# Altium PCB fastcar.PcbDoc (part 2 of 6)
Units mm, origin at the board's own origin, x right, y up, seen from the top; angles counter-clockwise.
Board outline 341.4 x 93 mm, 6 copper layers (Component Side, Signal 1, Signal 2, GND, POWER, Solder Side); 271 components, 375 nets, 1876 pads, 1375 vias.
Unrouted connection lines stored in the file: 4.
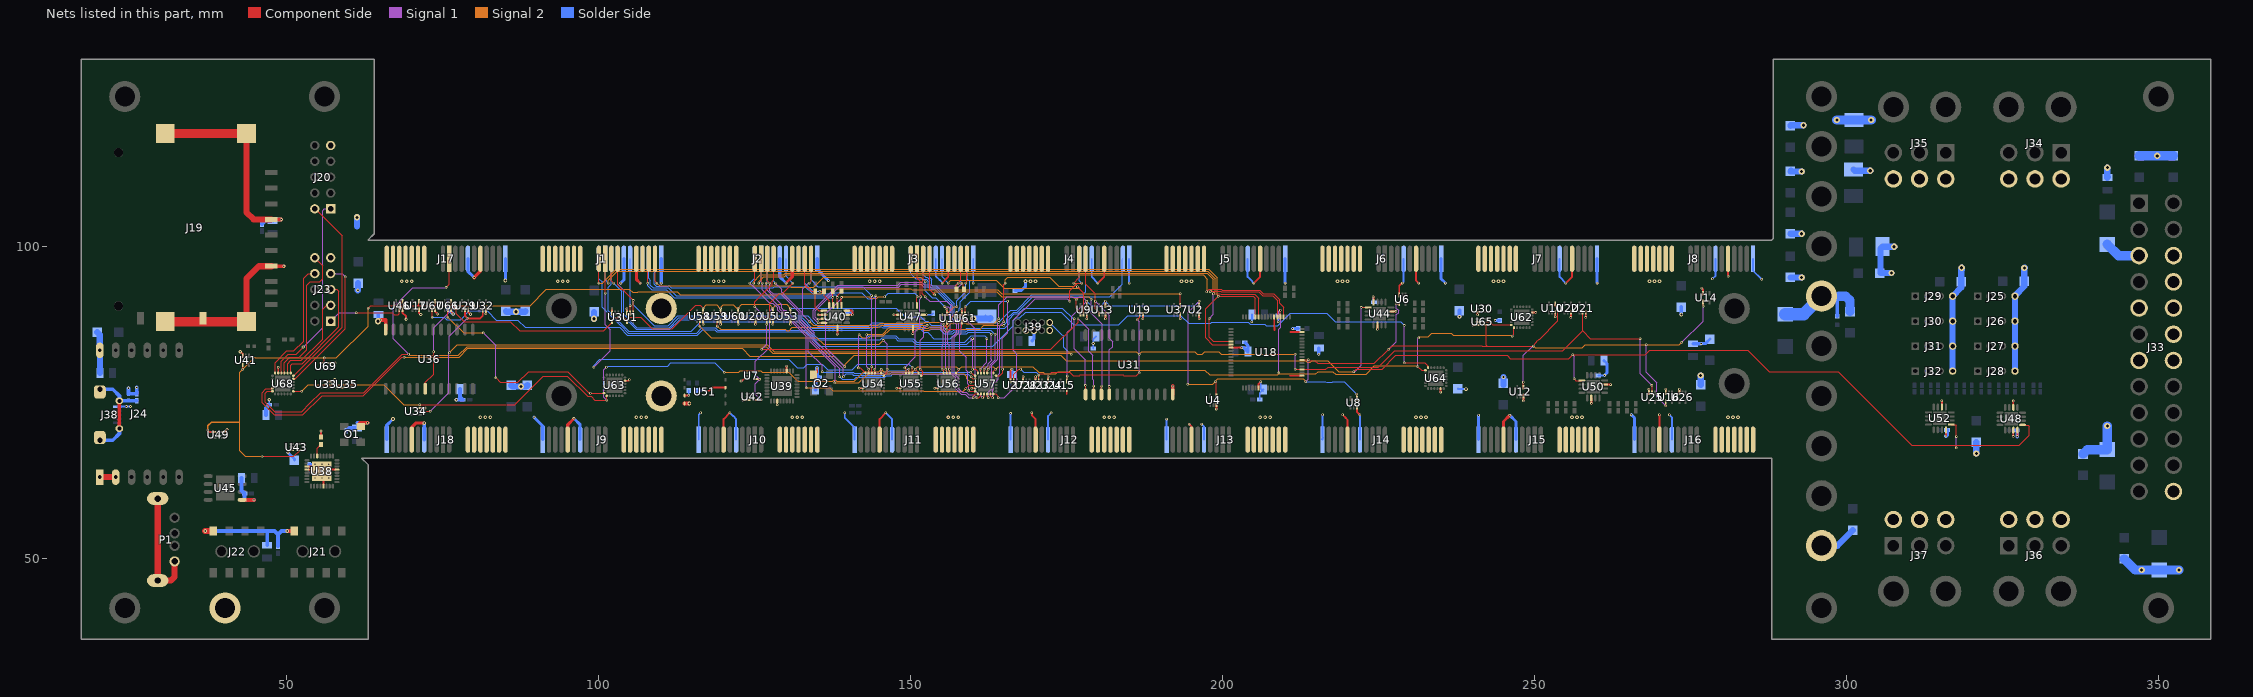
[diagram p6: the nets of this part, all layers, seen from the top]

## Via types
v1: diameter 0.4, hole 0.2, Component Side to Solder Side, 984 vias
v2: diameter 0.6, hole 0.3, Component Side to Solder Side, 212 vias
v3: diameter 0.5, hole 0.2, Component Side to Solder Side, 152 vias
v4: diameter 1, hole 0.5, Component Side to Solder Side, 27 vias

## Nets (pads, with @x,y where several pads share a name; then routed paths per layer and width w, separated by ;. In a path a pad name is that pad's centre, name@x,y a point inside that pad or via, vN(x,y) a via of type N, cw(c..) or ccw(c..) an arc to the next point about the centre after c; other vN are vias at no path point) (continued)
GND: C1.2 C2.2 C3.2 C4.2 C5.2 C6.2 C7.2 C8.2 C9.2 C10.2 C11.2 C12.2 C13.2 C14.2 C15.2 C16.2 C17.2 C18.2 C19.2 C20.2 C21.2 C22.2 C23.2 C24.2 C25.2 C26.2 C27.2 C28.2 C29.2 C30.2 C31.2 C32.2 C33.2 C34.2 C35.2 C36.2 C37.2 C38.2 C39.1 C40.2 C41.2 C42.1 C43.1 C44.1 C45.1 C46.1 C47.2 C48.2 C49.1 C50.2 C51.2 C52.1 C53.1 C54.1 C55.1 C56.1 C57.2 C58.2 C59.1 C60.2 C61.2 C62.1 C63.1 C64.1 C65.1 C66.1 C67.2 C68.2 C69.1 C70.2 C71.2 C72.1 C73.1 C74.1 C75.1 C76.1 C77.1 C78.2 C79.2 J1.A5 J1.A12 J1.A13 J1.A14 J1.A15 J1.A16 J1.A17 J1.A18 J1.B1 J1.B7 J2.A5 J2.A12 J2.A13 J2.A14 J2.A15 J2.A16 J2.A17 J2.A18 J2.B1 J2.B7 J3.A5 J3.A12 J3.A13 J3.A14 J3.A15 J3.A16 J3.A17 J3.A18 J3.B1 J3.B7 J4.A5 J4.A12 J4.A13 J4.A14 J4.A15 J4.A16 J4.A17 J4.A18 J4.B1 J4.B7 J5.A5 J5.A12 J5.A13 J5.A14 J5.A15 J5.A16 J5.A17 J5.A18 J5.B1 J5.B7 J6.A5 J6.A12 J6.A13 J6.A14 J6.A15 J6.A16 J6.A17 J6.A18 J6.B1 J6.B7 J7.A5 J7.A12 J7.A13 J7.A14 J7.A15 J7.A16 J7.A17 J7.A18 J7.B1 J7.B7 J8.A5 J8.A12 J8.A13 J8.A14 J8.A15 J8.A16 J8.A17 J8.A18 J8.B1 J8.B7 J9.A5 J9.A12 J9.A13 J9.A14 J9.A15 J9.A16 J9.A17 J9.A18 J9.B1 J9.B7 J10.A5 J10.A12 J10.A13 J10.A14 J10.A15 J10.A16 J10.A17 J10.A18 J10.B1 J10.B7 J11.A5 J11.A12 J11.A13 J11.A14 J11.A15 J11.A16 J11.A17 J11.A18 J11.B1 J11.B7 J12.A5 J12.A12 J12.A13 J12.A14 J12.A15 J12.A16 J12.A17 J12.A18 J12.B1 J12.B7 J13.A5 J13.A12 J13.A13 J13.A14 J13.A15 J13.A16 J13.A17 J13.A18 J13.B1 J13.B7 J14.A5 J14.A12 J14.A13 J14.A14 J14.A15 J14.A16 J14.A17 J14.A18 J14.B1 J14.B7 J15.A5 J15.A12 J15.A13 J15.A14 J15.A15 J15.A16 J15.A17 J15.A18 J15.B1 J15.B7 J16.A5 J16.A12 J16.A13 J16.A14 J16.A15 J16.A16 J16.A17 J16.A18 J16.B1 J16.B7 J17.A5 J17.A12 J17.A13 J17.A14 J17.A15 J17.A16 J17.A17 J17.A18 J17.B1 J17.B7 J18.A5 J18.A12 J18.A13 J18.A14 J18.A15 J18.A16 J18.A17 J18.A18 J18.B1 J18.B7 J19.3 J19.6 J19.11 J19.13 J19.14 J19.15 J19.16 J20.9 J21.2 J22.2 J23.9 J24.1 J24.2 J24.12 J25.4 J26.4 J27.4 J28.4 J29.4 J30.4 J31.4 J32.4 J33.3 J33.5 J33.7 J33.15 J33.16 J33.17 J33.18 J33.19 J33.24 J34.4 J34.5 J34.6 J35.4 J35.5 J35.6 J36.4 J36.5 J36.6 J37.4 J37.5 J37.6 J38.5 J39.3 J39.5 J39.9 O1.2 O2.2 P1.4 P1.5 P1.6 P13-GND.1 P14-GND.1 P15-GND.1 P16-GND.1 P17-GND.1 R4.1 R57.1 U1.3 U2.3 U3.3 U4.3 U5.3 U6.3 U7.3 U8.3 U9.3 U10.3 U11.3 U12.3 U13.3 U14.3 U15.3 U16.3 U17.3 U18.7 U18.22 U18.33 U18.47 U18.54 U19.3 U20.3 U21.3 U22.3 U23.3 U24.3 U25.3 U26.3 U27.3 U28.3 U29.3 U30.3 U31.12 U32.3 U33.3 U34.3 U35.3 U36.12 U37.3 U38.11 U38.12 U38.21 U38.29 U38.33 U39.3 U39.19 U40.6 U40.11 U40.15 U40.16 U41.3 U42.3 U43.3 U44.6 U44.11 U44.16 U45.1 U46.3 U47.6 U47.11 U47.15 U48.6 U48.15 U48.16 U49.3 U50.6 U50.11 U51.4 U52.6 U52.16 U53.3 U54.23 U55.23 U56.23 U57.23 U58.3 U59.3 U60.3 U61.3 U62.23 U63.23 U64.23 U65.3 U66.3 U67.3 U68.23 U69.3 | length 611.4
  Component Side w0.3: U49.3@39.7,70.25 40.05,70.25 v3(40.4,70.6) v3@40.5,70.6 ; v3(42.5,83.1) 42.55,83.1 42.9,82.75 U41.3@42.9,82.45 ; U68.23@48.6,79.675 v1(48.6,80.6) ; v3(50.15,66.95) 50.5,67.3 U43.3@50.75,67.3 ; U38.12@53.425,64.2 U38.33@55.35,64.2 ; U38.11@53.425,64.7 U38.33@54.85,64.7 ; R4.1@55.45,69.45 v3(55.45,70.4) ; v3(55.6,63.95) 55.85,64.2 U38.29@57.775,64.2 ; U38.21@55.85,61.775 U38.33@55.85,63.7 ; U33.3@56.9,78.35 57,78.45 57.5,78.45 57.65,78.6 v3(57.65,78.65) ; U69.3@56.95,81.3 57.4,81.3 v3(57.7,81.3) ; v3(58,77.25) 58.1,77.35 U35.3@58.85,77.35 U35.3@58.5,77.35 ; U46.3@68.5,89.8 68.5,89.35 69.1,88.75 v3(69.1,88.3) ; U17.3@71.15,89.8 71.15,89.35 v3(71.45,89.05) ; U34.3@71.6,74.05 v3(72.095,74.05) v3@72.166,73.979 ; U67.3@73.75,89.85 73.75,89.5 v3(74.1,89.15) v3@74.1,89.05 ; U66.3@76.3,89.85 U66.3@76.3,89.8 76.3,89.5 v3(76.65,89.15) v3@76.65,89.05 ; U29.3@79.05,89.8 79.05,89.45 v3(79.4,89.1) v3@79.4,89 ; v1(81.89,89.2) U32.3@81.89,89.78 ; U3.3@102.1,89.3 v1(102.1,90) ; U63.23@104.175,78.45 104.75,78.45 v1(104.9,78.6) ; U1.3@104.5,89.3 v1(104.5,90) ; v1(116.7,87.5) U58.3@116.7,88.1 ; v1(119.5,87.5) U59.3@119.5,88.1 ; J10.A5@120,69 120,72.3 v1(121,73.3) ; v1(122.3,87.5) U60.3@122.3,88.1 ; v3(122.8,78.4) 122.931,78.4 123.241,78.71 U7.3@123.74,78.71 123.73,78.7 123.33,78.7 ; v1(123.05,75.35) U42.3@123.9,75.35 ; v1(125.1,87.5) U20.3@125.1,88.1 ; v1(127.9,87.5) U5.3@127.9,88.1 ; v1(128.6,74.6) U39.19@128.6,75.425 ; U39.3@130.1,80.015 v1(130.1,80.8) ; v1(130.7,87.5) U53.3@130.7,88.1 ; O2.2@134.415,79.384 134.584,79.384 134.965,79.765 v3(134.965,80.509) ; v1(135.125,88.985) U40.6@136.075,88.985 ; v1@138.225,85.885 U40.11@138.225,86.835 ; U40.15@139.725,89.025 v1(140.635,89.025) 140.635,89.565 140.525,89.675 U40.16@139.725,89.675 ; v1(141.75,77.25) U54.23@142.325,77.25 ; J11.A5@145,69 145,72.3 v1(146,73.3) ; v1(147.3,89.025) U47.6@148.175,89.025 ; v1(147.75,77.25) U55.23@148.325,77.25 ; v1(150.3,86) 150.325,86.025 U47.11@150.325,86.875 ; U47.15@151.825,89.025 v1(152.5,89.025) ; v1(153.85,77.25) U56.23@154.325,77.25 ; v1(155,94.1) 156,95.1 J3.A5@156,98 ; U11.3@155.8,89.2 v1(155.8,89.9) ; U61.3@158.2,89.2 v1(158.2,89.9) ; v1(159.75,77.25) U57.23@160.325,77.25 ; U27.3@166,78.4 166,80.1 v1(166.2,80.3) ; U28.3@168,78.4 v1(168,79.1) ; v1(169.4,73.3) 169.4,72.9 170,72.3 J12.A5@170,69 ; U23.3@170,78.4 v1(170,79.1) ; U24.3@172,78.4 v1(172,79.1) ; 175,76.3 U15.3@175,77 ; v1(178.2,88.4) U9.3@178.2,89.1 ; v1(180,94.1) 181,95.1 J4.A5@181,98 ; v1(181.2,88.4) U13.3@181.2,89.1 ; v1(187.2,88.4) U19.3@187.2,89.1 ; v1(193.2,88.4) U37.3@193.2,89.1 ; v1(194.6,71.5) 195,71.1 J13.A5@195,69 ; v1(196.2,88.4) U2.3@196.2,89.1 ; v1(199,73.9) U4.3@199,74.6 ; U18.7@201.3,83.75 v1(203.05,83.75) ; v1(205,94.1) 206,95.1 J5.A5@206,98 ; U18.22@205.75,77.3 205.75,77.95 v1(206.1,78.3) ; 208.25,86.74 U18.54@208.25,88.7 ; 208.28,86.53 208.28,87.01 ; 210.75,79.25 U18.33@212.7,79.25 ; 210.82,86.25 U18.47@212.7,86.25 ; v1(219.2,73) 219.2,72.993 219.693,72.5 219.699,72.5 220,72.199 J14.A5@220,69 ; U8.3@221.5,74.12 221.5,73.5 v1(222,73) ; v1(224.1,91.9) 224.155,91.845 U44.16@224.155,91.045 ; v1(224.8,86.71) 224.805,86.715 U44.6@224.805,87.395 ; U44.11@226.955,89.545 v1(227.755,89.545) ; U6.3@228.29,92.18 228.29,93.697 228.693,94.1 v1(228.8,94.1) ; J6.A5@231,98 231,94.507 231.2,94.307 231.2,94.3 v1(231.4,94.1) ; v1(234.92,76.62) U64.23@234.92,77.195 ; v1(240.06,87.36) U65.3@240.87,87.36 ; v1(240.84,89.04) 240.86,89.04 U30.3@240.86,89.45 ; v1(248.2,75.2) 248.21,75.21 U12.3@248.21,76.01 ; U62.23@249.605,89.38 250.18,89.38 v1(250.16,89.4) ; v1(253.3,88.7) U10.3@253.3,89.4 ; v1(255,94.1) 256,95.1 J7.A5@256,98 ; v1(255.8,88.6) U22.3@255.8,89.4 ; v1(258.2,88.6) U21.3@258.2,89.4 ; U50.6@259.075,75.675 259.1,75.65 v1(259.1,74.8) ; U50.11@261.225,77.825 v1(262.175,77.825) ; U25.3@268.32,76.5 v1(268.32,77.08) ; J16.A5@270,69 v1(270,73) ; U16.3@271.02,76.52 v1(271.02,77.1) ; v1@271.57,73.03 v1(271.599,73) ; U26.3@273.2,76.51 v1(273.2,77.09) ; v1(276.8,93.3) 277,93.1 U14.3@277,92.48 ; v1(281,95.2) J8.A5@281,98 ; U52.6@315.275,74.225 v1(315.275,75.225) ; v1(315.925,69.575) U52.16@315.925,70.575 ; v1(326.725,69.525) U48.15@326.725,70.525 ; U48.6@326.725,74.175 326.725,75.175 v1(326.75,75.2) ; v1(327.375,69.525) U48.16@327.375,70.525
  Component Side w0.5: J18.A5@70,69 70,71 70.64,71.64 v2(72,71.64) ; v3@80,95.019 J17.A5@80.981,96 ; J17.A5@81,96 J17.A5@81,98 ; J17.A5@81,96 J17.A5@81,98 ; J9.A5@95,69 95,71.4 v1(96,72.4) ; J1.A5@106,98 106,94.7 v1(106.6,94.1) ; v1(130,94.1) 131,95.1 J2.A5@131,98 ; J15.A5@245,69 245,71.9 v1(246,72.9)
  Component Side w0.6: U45.1@42.825,59.345 v3@44.695,59.345 ; J19.6@47.5,96.805 49.495,96.805 v3(49.5,96.8) ; J19.3@47.5,104.305 v3(49.095,104.305) ; v2(50.05,54.35) J21.2@51.19,54.35 ; 61.685,71.72 62.88,71.72 v3(62.9,71.7) ; U36.12@65.815,86.65 65.815,88.185 65.8,88.2 v3(65,88.2) 65.85,88.2 ; v3(80,95) v3@80,95.019 ; U51.4@113.725,74.795 v2(114.495,74.795) ; U31.12@191.985,76.25 191.985,77.585 v1(192,77.6)
  Component Side w1: J24.1@20,63 J24.2@22.54,63 ; P1.5@29.277,59.553 P1.6@29.277,46.411 31.361,46.411 31.987,47.037 P1.4@31.987,49.482 ; v2(36.9,54.35) J22.2@38.19,54.35 ; J19.13@43.5,87.925 43.5,94.8 45.505,96.805 J19.6@47.5,96.805 ; J19.16@43.5,118.075 43.5,105.45 44.645,104.305 J19.3@47.5,104.305
  Component Side w1.5: J19.14@30.5,87.925 J19.13@43.5,87.925 ; J19.15@30.5,118.075 J19.16@43.5,118.075
  Solder Side w0.3: J38.5@22.8,74.3 v3(24.9,74.3) v3(24.25,74.3) ; C8.2@47.15,74.6 v3(47.15,75.4) ; J10.B1@116,69 116,73 v1(116.3,73.3) ; v1(121,73.3) 121,73.293 121.493,72.8 121.5,72.8 122,72.3 J10.B7@122,69 ; v1(139.4,73.3) 139.4,72.501 141,70.9 J11.B1@141,69 ; C20.2@139.77,89.41 140.25,89.41 ; v1(140.635,89.025) 140.25,89.41 ; 140.635,89.675 140.635,89.595 140.45,89.41 140.25,89.41 ; v1(146,73.3) 147,72.3 J11.B7@147,69 ; v1(152.5,89.025) 153.375,89.025 C16.2@153.6,89.25 ; J3.B7@154,98 154,95.2 154.6,94.6 154.607,94.6 155,94.207 v1(155,94.1) ; v1(160,94.1) J3.B1@160,98 ; C70.2@161.96,88.89 162.382,88.468 C70.2@162.785,88.468 ; J12.B1@166,69 v1(166,73.2) ; J12.B7@172,69 172,72.793 v1(172.5,73.293) ; J4.B7@179,98 179,95.1 v1(180,94.1) ; C32.2@179.25,83.6 v3(179.25,84.4) 179.25,85.088 C15.2@179.712,85.55 ; v1(185,94.1) J4.B1@185,98 ; J13.B1@191,69 v1(191,72.3) ; v1(196.6,71.5) 197,71.1 J13.B7@197,69 ; J5.B7@204,98 204,95.1 204.5,94.6 204.507,94.6 205,94.107 v1(205,94.1) ; v1(204.668,87.9) C78.2@204.668,89.1 ; C5.2@205.93,75.45 205.93,76.478 C2.2@206.522,77.07 ; v1(206.1,78.3) 206.1,77.192 206.372,76.92 C2.2@206.502,76.79 ; v1(208.9,87.9) C79.2@208.9,88.9 ; J14.B1@216,69.401 216.1,69.301 215.9,69.1 J14.B1@216,69 ; J14.B1@216,69.402 v1(216,73) ; J14.B7@222,69 v1(222,73) ; v1(224.1,91.9) 224.1,91.289 224.2,91.19 224.155,91.145 C22.2@224.255,91.045 ; v1(228.8,94.1) 229,94.3 J6.B7@229,98 ; C43.1@237.7,77.171 237.771,77.1 v2(239,77.1) ; J7.B7@254,98 254,95.1 v1(255,94.1) ; C28.2@260.2,79.3 v1(261.2,79.3) ; v1(271.599,73) 272,72.6 J16.B7@272,69 ; v1(278.5,94.8) 279,95.3 J8.B7@279,98 ; J8.B1@285,98 285,96.1 v1(286.4,94.7)
  Solder Side w0.5: v3(50.15,66.95) 51.2,65.9 C55.1@51.2,65.729 ; C14.2@53.55,65 54.45,65 v3(54.5,65.05) ; J18.B1@66,69 66,71.3 v2(67,72.3) ; J17.B7@79,98 79,96 v3(80,95) ; v2(85,94.5) J17.B1@85,98 ; v1(89.6,72.6) 91,71.2 J9.B1@91,69 ; v1(96,72.4) 97,71.4 J9.B7@97,69 ; v1(103.5,94.1) 104,94.6 J1.B7@104,98 ; v1(110,94.1) J1.B1@110,98 ; J2.B7@129,98 129,95.1 v1(130,94.1) ; J2.B1@135,98 135,96.3 v1(136.8,94.5) ; C17.2@166.2,79.432 v1(166.2,80.3) ; C58.2@166.7,92.9 167.7,92.9 168.4,93.6 v2(168.4,94.4) ; C21.2@169.4,84.8 169.73,85.13 J39.5@169.73,86.5 ; v1(203.05,83.75) 203.382,83.75 C23.2@204.032,83.1 204.032,84.118 C36.2@203.55,84.6 ; v1(210,94.1) J5.B1@210,98 ; v1(211.2,86.8) C38.2@212.103,86.8 ; v1(215.4,82.7) 215.4,83.149 C33.2@215.4,83.668 ; J6.B1@235,98 235,94.8 v1(235.7,94.1) ; J15.B1@241,69.001 v1(241,72.9) ; v1(243.703,88.103) C48.2@244.4,88.103 ; v1(246,72.9) 247,71.9 J15.B7@247,69 ; v1(260,94.1) J7.B1@260,98 ; C7.2@261.1,81.7 261.6,81.2 261.6,79.7 v1(261.2,79.3) ; v1(265.5,73) 266,72.5 J16.B1@266,69 ; C31.2@275.42,84.372 276.672,84.372 v1(276.7,84.4) 277.371,84.4 C51.2@278.1,85.129
  Solder Side w0.6: R57.1@24.6,76.3 v3(24.6,77.25) ; R57.1@24.65,76.35 C77.1@25.9,76.35 v3(25.9,77.35) ; v2(36.9,54.35) 48,54.35 48.55,53.8 ; C24.2@42.718,62.85 42.718,60.832 C26.2@43.2,60.35 43.2,59.45 43.3,59.35 v3(44.7,59.35) ; C18.2@46,103.55 46.582,104.132 C29.2@47.7,104.132 ; C19.2@46.618,72.95 46.618,74.068 C8.2@47.15,74.6 ; C1.2@46.82,52.062 46.82,54.23 ; C29.2@47.79,104.082 48.013,104.305 v3(49.095,104.305) ; C30.2@48.55,51.9 48.55,53.8 ; v2(50.05,54.35) 49.1,54.35 48.55,53.8 ; C12.2@59.5,70.4 59.982,70.882 C3.2@61.25,70.882 C3.2@61.468,71.1 ; 61.318,71.7 v3(62.9,71.7) ; v4(64.61,87.98) C27.2@64.61,89.038 ; J18.B7@72,69 v2(72,71.64) ; C6.2@75.81,90.09 75.81,89.99 v3(76.65,89.15) ; v2(77.15,75.4) C10.2@78.2,75.4 77.753,75.847 C9.2@77.753,77.15 ; C11.2@134.703,76.999 134.703,78.417 C4.2@135.285,78.999 134.965,79.319 v3(134.965,80.509) ; v2(237.95,88.7) C65.1@237.95,89.7 ; v2@273.52,89.1 C76.1@273.52,90.3 ; C68.2@298.5,88.797 298.5,91.77 298.73,92 ; v1(315.925,69.575) 316.1,69.75 C25.2@316.1,70.55 ; C34.2@327.25,70.5 327.375,70.375 v1(327.375,69.525)
  Solder Side w1: C52.1@19.6,86.2 20,85.8 J24.12@20,83.32 20.018,83.302 C13.2@20.018,79.7 ; 61.22,103.179 v4(61.22,104.64) ; v2(61.36,92.95) 61.39,92.98 C57.2@61.39,94.061 ; C42.1@85.1,89.6 85.2,89.5 v4(86.7,89.5) 88.139,89.5 C71.2@88.22,89.581 ; C53.1@85.95,77.7 85.979,77.729 86.208,77.5 v4(87.5,77.5) 88.321,77.5 C67.2@88.55,77.729 ; v4(99.23,88.38) C74.1@99.23,89.48 ; v4(160,88.4) C70.2@162.653,88.4 ; C70.2@162.653,88.4 162.754,88.5 C70.2@162.785,88.468 ; C54.1@245,77.8 v2(245,79.02) ; C73.1@276.61,77.77 v4(276.61,79.28) ; C56.1@291,95 v4(292.8,95) ; C62.1@291,102 v4(292.8,102) ; C63.1@291,112 291.1,112.1 291.2,112 v4(292.8,112) ; C46.1@291,119.329 291.071,119.4 v4(293.1,119.4) ; P16-GND.1@296,52 298.529,52 C75.1@301,54.471 ; C60.2@301.125,112.292 301.316,112.1 v4(303.8,112.1) ; v4(307.2,95.7) 305.429,95.7 305.429,99.613 C50.2@305.742,99.925 v4(307.625,99.925) ; J32.4@317,80 J29.4@317,92 318.4,93.4 C64.1@318.4,94.3 318.4,96.2 318.45,96.25 v4(318.45,96.55) ; v4(320.8,66.8) C41.2@320.8,68.6 ; J28.4@327,80 J27.4@327,84 J26.4@327,88 J25.4@327,92 327,92.1 328.5,93.6 C66.1@328.5,94.4 v4(328.5,96.5) v4@328.55,96.55 ; v4(341.8,112.6) C35.2@341.8,111 C35.2@341.9,111.1
  Solder Side w1.5: v4(298.442,120.242) C40.2@301.175,120.242 v4(303.942,120.242) ; 298.73,92 299.87,92 300.55,91.32 C72.1@300.55,89.54 ; C47.2@337.9,66.7 338.6,67.4 C49.1@341.8,67.4 v4@341.8,71.2 ; C39.1@341.8,100.3 343.6,98.5 J33.3@346.9,98.5 ; C61.2@344.5,49.871 346.271,48.1 v4(347.3,48.1) C69.1@350.1,48.1 v4(353.3,48.1) ; C37.2@346.9,114.5 C44.1@352.4,114.5
  Solder Side w2: C59.1@290.2,89.1 293.1,89.1 P15-GND.1@296,92
  other v1: 175,77.126 138.21,85.92
  other v2: 81,72.6 81.8,72.6 82.6,72.6 106,72.6 106.8,72.6 107.6,72.6 131,72.6 131.8,72.6 132.6,72.6 156,72.6 156.8,72.6 157.6,72.6 181,72.6 181.8,72.6 182.6,72.6 206,72.6 206.8,72.6 207.6,72.6 231,72.6 231.8,72.6 232.6,72.6 256,72.6 256.8,72.6 257.6,72.6 281,72.6 281.8,72.6 282.6,72.6 273.52,89.07 68.4,94.4 69.2,94.4 70,94.4 93.4,94.4 94.2,94.4 95,94.4 118.4,94.4 119.2,94.4 120,94.4 143.4,94.4 144.2,94.4 145,94.4 169.2,94.4 170,94.4 193.4,94.4 194.2,94.4 195,94.4 218.4,94.4 219.2,94.4 220,94.4 243.4,94.4 244.2,94.4 245,94.4 268.4,94.4 269.2,94.4 270,94.4
  other v3: 54.5,62.85 55.6,62.85 56.7,62.85 54.5,63.95 56.7,63.95 55.6,65.05 56.7,65.05
  other v4: 341.8,71.2 349.8,114.5
I2CRESET: U40.1 U44.1 U47.1 U48.1 U50.1 U52.1 U68.5 | length 358.5
  Component Side w0.15: U68.5@47.675,77.25 47.575,77.15 46.6,77.15 46,76.55 46,74.929 47.975,72.954 52.554,72.954 55.65,76.05 62.25,76.05 68.42,82.22 v1(68.77,82.22) ; U40.1@138.875,90.525 138.875,91.775 v1(138.9,91.8) ; U47.1@150.975,90.525 150.975,91.875 v1(151,91.9) ; v1(221,79.9) 221.425,80.325 225.548,80.325 227.748,82.525 245.6,82.525 246.125,82 255.5,82 v1(256.1,82.6) 267.75,82.6 268.45,83.3 284.139,83.3 287.569,79.87 298.63,79.87 310.41,68.09 327.69,68.09 329.3,69.7 329.3,71.1 329.125,71.275 328.325,71.275 U48.1@328.225,71.375 ; v1(222.2,90.2) 222.205,90.195 U44.1@223.305,90.195 ; v1(256.32,78.76) 256.605,78.475 U50.1@257.575,78.475 ; U52.1@316.775,71.425 317.475,71.425 317.62,71.28 v1(317.62,69.49) ; v1(317.62,67.68) 317.62,68.07
  Component Side w0.254: U68.5@47.675,77.25 U68.5@47.675,77.298
  Signal 1 w0.15: v1(138.9,91.8) 138.9,91.7 136.4,89.2 136.4,83.7 v1(139.4,80.7) ; v1(221,79.9) 221.2,79.9 222.2,80.9 v1(222.2,90.2) ; v1(256.1,82.6) 256.32,82.38 v1(256.32,78.76) ; v1(317.62,67.68) v1(317.62,69.49)
  Signal 2 w0.15: v1(68.77,82.22) 74.72,82.22 74.725,82.225 77.614,82.225 79.014,83.625 122.964,83.625 124.189,82.4 137.7,82.4 v1(139.4,80.7) 139.5,80.7 139.5,81.101 140.924,82.525 174.024,82.525 174.924,81.625 213.273,81.625 213.524,81.375 214.024,81.375 214.324,81.675 216.824,81.675 218.599,79.9 v1(221,79.9) ; v1(138.9,91.8) 138.9,91.7 139.1,91.9 143.299,91.9 143.524,91.675 144.576,91.675 144.801,91.9 v1(145.8,91.9)
  Solder Side w0.15: v1(145.8,91.9) 146.4,92.5 150.6,92.5 151.1,92 v1(151,91.9)
INTMISO: U54.12 U58.2 | length 38
  Component Side w0.15: v1(116.2,87.2) 116.2,88.025 U58.2@116.275,88.1 ; U54.12@145.675,79.25 146.2,79.775 v1(146.2,80.3)
  Signal 1 w0.15: v1(145.6,84.9) 146.2,84.3 v1(146.2,80.3)
  Signal 2 w0.15: v1(116.2,87.2) 116.2,87.15 117.975,85.375 134.916,85.375 136.021,84.27 144.97,84.27 v1(145.6,84.9)
IO0MISO: U57.12 U61.2 | length 21.7
  Component Side w0.15: U61.2@158.7,89.2 v1(158.7,90.3) ; U57.12@163.675,79.25 164.25,79.25 164.7,79.7 v1(164.7,80.3)
  Signal 1 w0.15: v1@164.675,80.3 164.675,85.275 165.515,86.115 165.515,88.918 165.549,88.952 165.549,91.351 165.5,91.301 v1(165.5,91.2)
  Solder Side w0.15: v1(158.7,90.3) 159.6,91.2 v1(165.5,91.2)
IO1MISO: U62.12 U65.2 | length 5.6
  Component Side w0.15: U65.2@240.87,87.86 242.82,87.86 243.3,87.38 U62.12@246.255,87.38
IO2MISO: U63.12 U66.2 | length 35.7
  Component Side w0.15: v1(75.8,88.65) U66.2@75.8,89.8 ; v1(83.5,78.9) 83.675,78.725 ; 83.675,78.724 83.924,78.475 ; 83.925,78.475 84.225,78.175 87,78.175 88.725,79.9 95.003,79.9 98.453,76.45 v1(98.65,76.45) U63.12@100.825,76.45
  Signal 1 w0.15: v1(81.5,86.1) 83.5,84.1 v1(83.5,78.9)
  Signal 2 w0.15: v1(75.8,88.65) 78.34,86.11 81.49,86.11 v1(81.5,86.1)
IO3MISO: U64.12 U67.2 | length 177.7
  Component Side w0.15: v1(73.25,88.65) U67.2@73.25,89.8 ; v1(229.1,81.3) 232.4,81.3 232.92,80.78 U64.12@232.92,80.545
  Signal 1 w0.15: v1(229.1,81.3) v1(229.1,87.3)
  Solder Side w0.15: v1(73.25,88.65) 75.199,88.65 75.624,88.225 77.853,88.225 79.253,89.625 82.066,89.625 83.521,88.17 86.985,88.17 88.155,87 103.35,87 104.575,85.775 115.8,85.775 116.65,86.625 118.552,86.625 118.901,86.275 133.125,86.275 135.425,83.975 163.099,83.975 166.415,87.291 166.415,88.091 166.869,88.545 167.496,88.545 168.396,89.445 174.106,89.445 176.151,87.4 183.3,87.4 184.8,88.9 193.301,88.9 194.526,87.675 198.1,87.675 198.225,87.8 204.125,87.8 204.45,87.475 206.726,87.475 206.976,87.225 208.826,87.225 210.826,89.225 216.673,89.225 218.023,87.876 228.524,87.876 v1(229.1,87.3)
LCD_BEEP: J20.1 U68.22 | length 30.9
  Component Side w0.15: U68.22@49.1,79.675 49.1,81.571 50.229,82.7 51.45,82.7 v3(52.6,83.85)
  Signal 1 w0.15: v3(52.6,83.85) 55.7,86.95 55.7,105.7 56,106 J20.1@57,106
LCD_BTN_EN1: J23.5 U68.19 | length 18.6
  Component Side w0.15: U68.19@50.6,79.675 50.6,80.95 50.85,81.2 52.414,81.2 58.3,87.086 58.3,92.75 57.97,93.08 J23.5@57,93.08
LCD_BTN_EN2: J23.3 U68.20 | length 15.1
  Component Side w0.15: U68.20@50.1,79.675 50.1,81.157 50.643,81.7 52.277,81.7 55.7,85.123 55.7,89.9 56.34,90.54 J23.3@57,90.54
LCD_BTN_ENC: J20.2 U68.18 | length 31.8
  Component Side w0.15: U68.18@51.1,79.25 58.85,87 58.85,101.7 J20.2@54.55,106
  Component Side w0.3: U68.18@51.025,79.25 U68.18@51.1,79.25
LCD_CARD: J23.7 U68.17 | length 22.4
  Component Side w0.15: U68.17@51.025,78.75 51.35,78.75 59.35,86.75 v1@59.35,94.9
  Signal 1 w0.15: J23.7@57,95.62 58.84,95.62 v1@59.4,95.06
  other v1: 59.34,95.09
LCD_KILL: J23.10 U68.21 | length 23.4
  Component Side w0.15: U68.21@49.6,79.675 49.6,81.364 50.436,82.2 52,82.2 53.2,83.4 53.2,93.75 53.75,94.3 55.25,94.3 55.75,94.8 55.75,96.87 J23.10@54.46,98.16
LCD_RESET: J23.8 U68.24 | length 19.9
  Component Side w0.15: U68.24@48.1,79.675 48.1,81.35 50,83.25 51.1,83.25 52.65,84.8 52.65,94.9 53.37,95.62 J23.8@54.46,95.62
LSDMISO: J23.1 U46.2 | length 12.4
  Component Side w0.15: v1(61.1,89.35) 66.85,89.35 67.2,89 67.85,89 68,89.15 U46.2@68,89.8
  Signal 1 w0.15: J23.1@57,88 57.05,88 58.4,89.35 v1(61.1,89.35)
MISO: U1.4 U2.4 U3.4 U4.4 U5.4 U6.4 U7.4 U8.4 U9.4 U10.4 U11.4 U12.4 U13.4 U14.4 U15.4 U16.4 U17.4 U18.38 U41.4 U42.4 U43.4 U46.4 U49.4 U53.4 U58.4 U59.4 U60.4 U61.4 U65.4 U66.4 U67.4 U69.4 | length 411.7
  Component Side w0.15: v1(42.9,80.3) U41.4@42.9,81.05 ; v1(46,66.3) 51.1,66.3 52.1,67.3 U43.4@52.15,67.3 ; U69.4@55.5,81.3 55.7,81.3 56,81.6 v1(56,82.1) ; v1(63,90.1) 63.4,90.5 68.38,90.5 ; U46.4@68.5,91.2 68.5,90.62 68.38,90.5 ; U17.4@71.15,91.2 71.13,91.18 71.13,90.63 71,90.5 ; U67.4@73.75,91.2 73.75,90.65 73.6,90.5 ; U66.4@76.3,91.2 76.3,90.65 ; U3.4@102.1,87.9 102.1,88.1 102.57,88.57 104.03,88.57 U1.4@104.5,88.1 ; U3.4@102.175,87.825 100.775,86.425 87.275,86.425 85.8,87.9 78.4,87.9 77.125,89.175 77.125,89.823 76.3,90.648 76.3,90.65 ; U1.4@104.5,87.9 U1.4@104.5,88.1 ; U58.4@116.7,89.5 v1(116.7,90.1) 116.275,90.525 115.524,90.525 111.749,86.75 108.55,86.75 106.675,88.625 105.025,88.625 U1.4@104.5,88.1 ; U59.4@119.5,89.5 v1(119.5,90.1) ; U60.4@122.3,89.5 v1(122.3,90.1) ; U7.4@125.14,78.71 125.79,78.71 v1(125.8,78.7) ; U42.4@125.3,75.35 125.35,75.4 v1(126,75.4) ; U5.4@127.9,89.55 v1(127.9,90.1) ; U53.4@130.7,89.5 v1(130.7,90.1) ; U11.4@155.8,87.8 155.8,86.7 157.9,86.7 158.2,87 U61.4@158.2,87.8 ; U15.4@175,78.4 175.1,78.5 v1(175.1,79.2) ; U9.4@178.2,90.5 v1(178.2,91.2) ; U13.4@181.2,90.5 v1(181.2,91.2) ; U2.4@196.2,90.5 v1(196.2,91.2) ; v1(198.8,78.3) 198.975,78.124 199,78.099 U4.4@199,76 ; U18.38@212.7,81.75 212.75,81.8 v1(213.7,81.8) 213.824,81.675 214.781,81.675 215.231,81.225 224.325,81.225 v1(226.6,83.5) 227.185,84.085 241.514,84.085 241.624,83.975 242.4,83.975 ; v1(221.5,76.3) 221.5,75.64 U8.4@221.56,75.58 ; v1(227.8,90.76) 227.82,90.78 U6.4@228.29,90.78 ; U65.4@242.27,87.36 242.27,84.13 242.4,84 242.4,83.975 ; U12.4@248.21,77.41 v1(248.21,78.21) ; U10.4@253.3,90.8 253.3,90.41 253.725,89.985 253.725,88.025 250.825,85.125 250.724,85.125 250.375,84.776 250.375,84.675 249.785,84.085 249.8,84.07 v1(249.8,84) 249.775,83.975 242.4,83.975 ; v1(271.02,74.4) U16.4@271.02,75.12 ; v1(277,90.4) U14.4@277,91.08 ; 68.38,90.5 71,90.5 ; 71,90.5 73.6,90.5 ; 73.6,90.5 76.15,90.5 76.3,90.65
  Component Side w0.3: v1(37.3,70.5) 37.55,70.25 U49.4@38.3,70.25
  Signal 1 w0.15: v1(126,75.4) 125.1,76.3 125.1,78 v1(125.8,78.7) 125.1,79.4 125.1,81.6 127.35,83.85 127.35,89.525 127.9,90.075 v1(127.9,90.1) ; v1(164.1,88.4) 164.1,90.601 165.424,91.925 175.724,91.925 175.824,91.825 177.575,91.825 v1(178.2,91.2) 175.775,88.775 175.775,86.874 175.1,86.199 v1(175.1,79.2) ; v1(194.4,77.9) 194.449,77.949 194.449,89.449 v1(196.2,91.2) ; v1(213.3,78.3) 213.7,78.7 v1(213.7,81.8) ; v1(226.6,83.5) 227.8,84.7 227.8,89.12 227.931,89.12 228.18,89.369 228.18,89.721 227.931,89.97 227.8,89.97 v1(227.8,90.76) ; v1(248.21,78.21) 248.21,82.51 249.7,84 v1(249.8,84) ; v1(267.9,84.2) 267.9,79.8 269.6,78.1 269.6,75.82 v1(271.02,74.4) ; v1(273.6,84.6) 277,88 v1(277,90.4)